# Altium PCB ECU_FEST23_Rev1.PcbDoc (part 2 of 2)
Units mm, origin at the board's own origin, x right, y up, seen from the top; angles counter-clockwise.
Board outline 100 x 57.4 mm, 4 copper layers (Top Layer, GND, 3V3, Bottom Layer), stack 1.616 mm thick; 285 components, 166 nets, 870 pads, 807 vias.
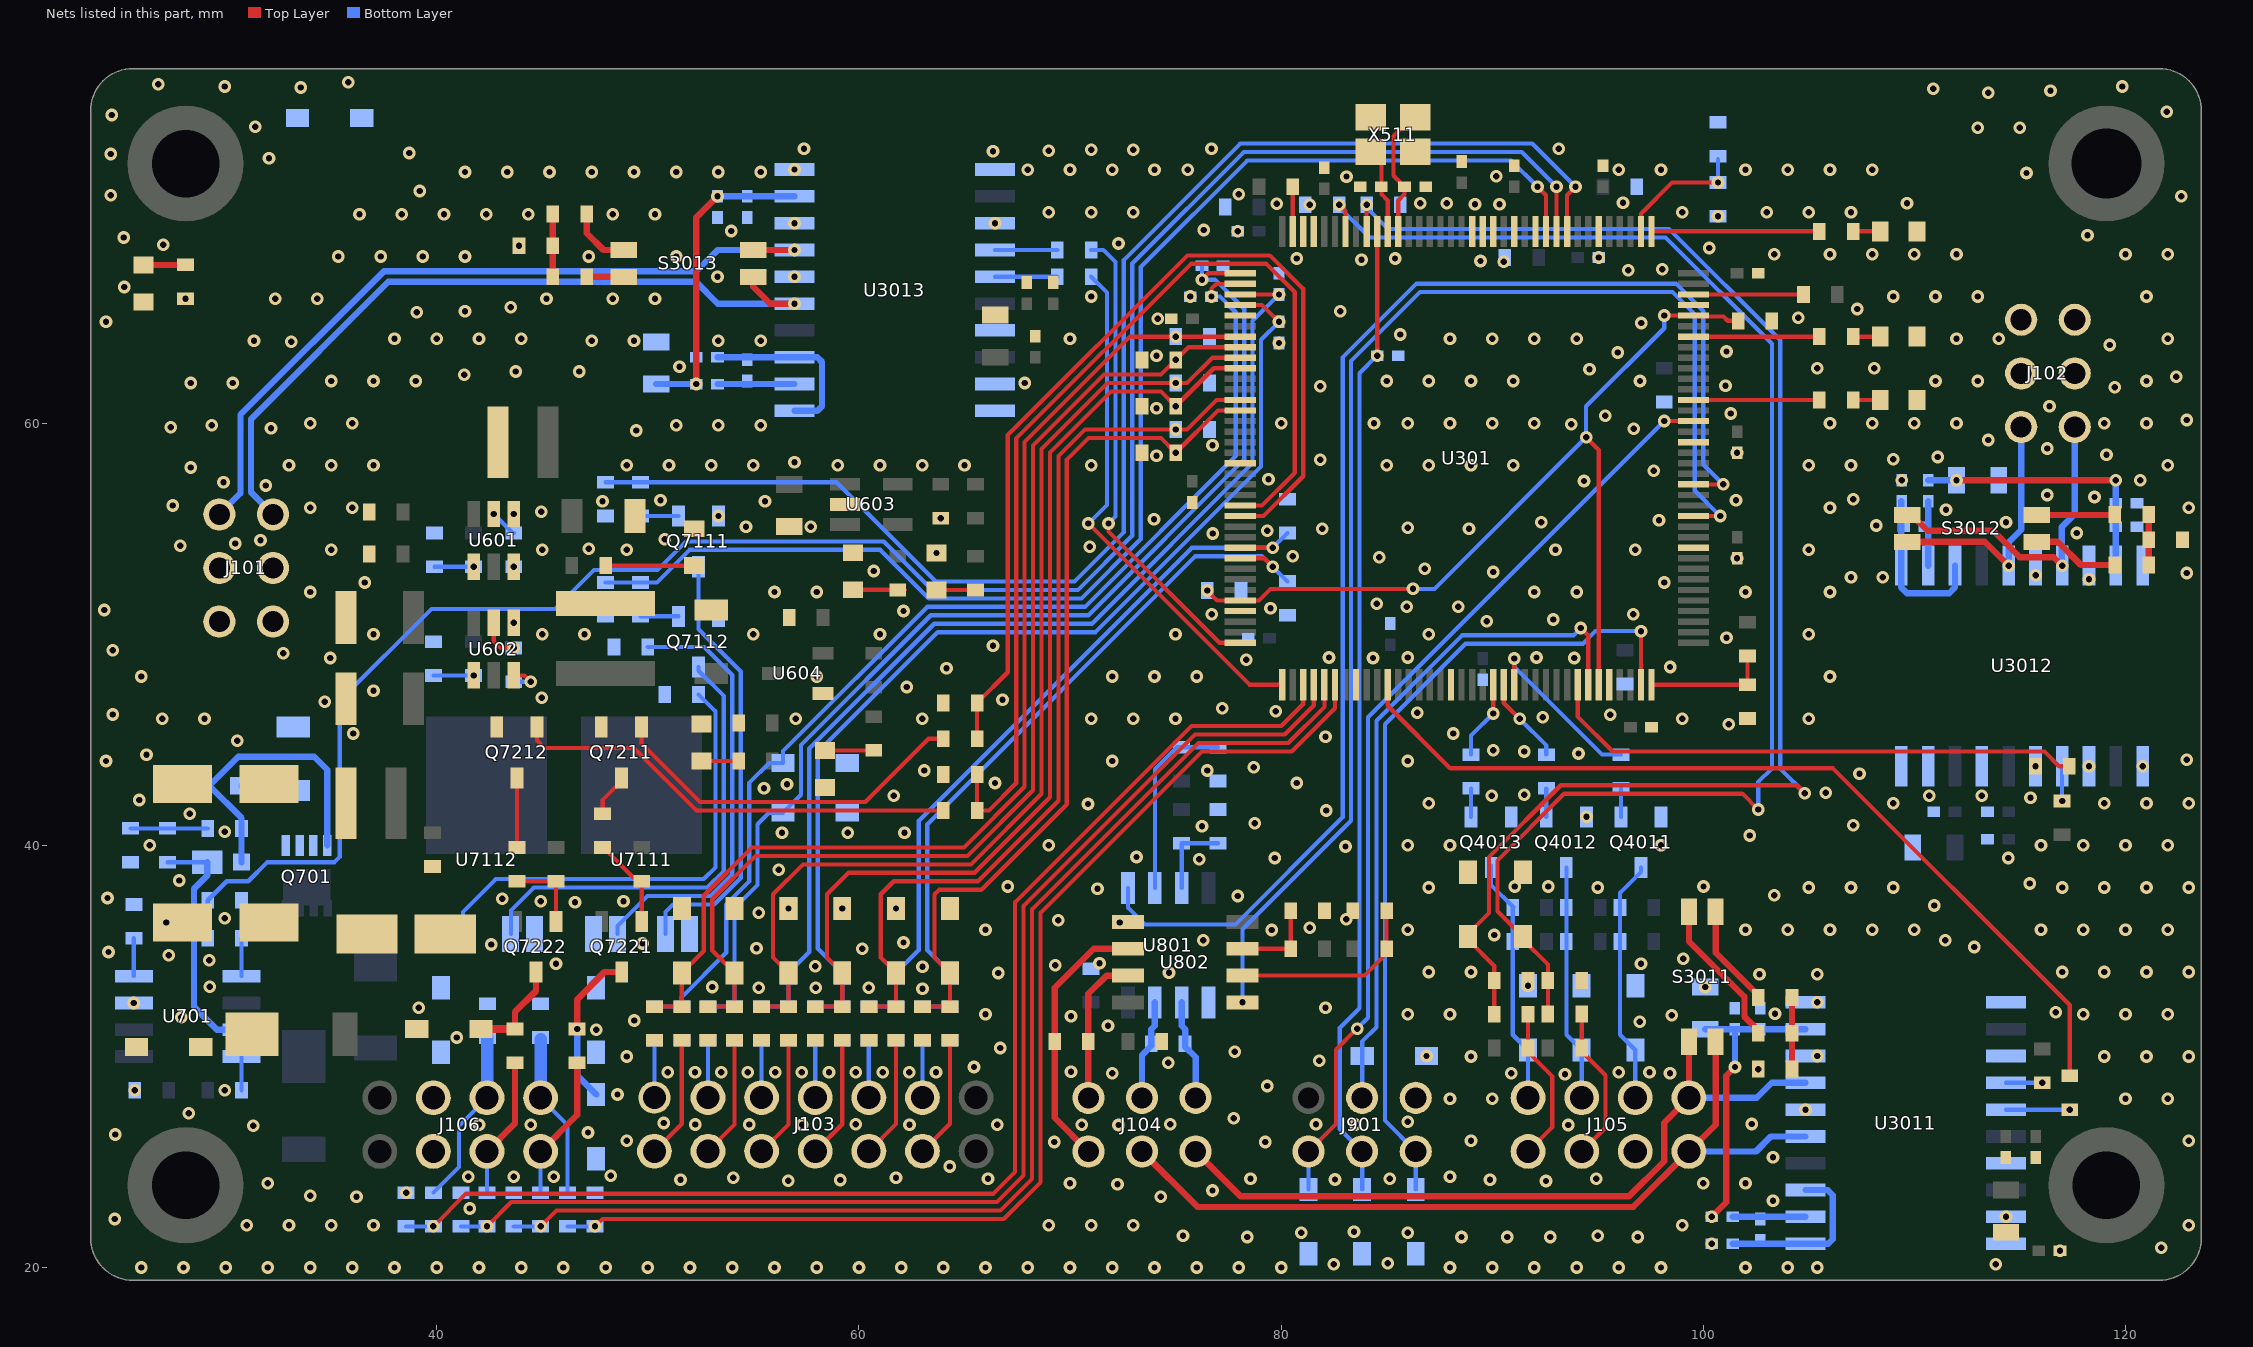
[diagram p4: the nets of this part, all layers, seen from the top]

## Via types
v1: diameter 0.6, hole 0.3, Top Layer to Bottom Layer, tented both sides, 807 vias

## Nets (pads, with @x,y where several pads share a name; then routed paths per layer and width w, separated by ;. In a path a pad name is that pad's centre, name@x,y a point inside that pad or via, vN(x,y) a via of type N, cw(c..) or ccw(c..) an arc to the next point about the centre after c; other vN are vias at no path point) (continued)
CAN_RX3: R3013.1 U301.72 | length 22.7
  Top Layer w0.2: v1(71.822,55.245) 71.822,54.864 77.086,49.6 U301.72@78.062,49.6
  Bottom Layer w0.2: R3013.1@71,68.205 71.578,68.205 72.15,67.633 72.15,55.574 v1(71.822,55.245)
CAN_TX1: R3021.1 U301.83 | length 42.5
  Top Layer w0.2: U301.83@85.05,47.612 85.05,46.616 88.016,43.65 106.15,43.65 117.36,32.44 R3021.1@117.36,29.08
CAN_TX2: R3022.1 U301.101 | length 25.8
  Top Layer w0.2: U301.101@94.05,47.612 94.05,46.11 95.71,44.45 116.159,44.45 116.859,43.75 R3022.1@117.335,43.75
CAN_TX3: R3023.1 U301.73 | length 24.7
  Top Layer w0.2: v1(70.87,55.25) 78.508,47.612 U301.73@80.05,47.612
  Bottom Layer w0.2: v1(70.87,55.25) 71.75,56.13 71.75,66.185 R3023.1@71,66.935
CANH1: J104.4 J105.1 S3011.1 U3011.17 | length 35.7
  Top Layer w0.3: J104.4@75.95,25.5 78.079,23.371 96.484,23.371 98.145,25.032 98.145,26.865 J105.1@99.32,28.04 S3011.1@99.32,30.7
  Bottom Layer w0.3: J105.1@99.32,28.04 102.535,28.04 103.245,28.75 U3011.17@104.84,28.75
CANH2: J102.6 S3012.1 U3012.17 | length 15.2
  Top Layer w0.3: S3012.1@109.655,55.65 109.885,55.65 110.635,54.9 113.734,54.9 114.984,53.65 116.605,53.65 v1(117.005,53.25)
  Bottom Layer w0.3: v1(117.005,53.25) 116.989,53.266 116.989,55.081 117.6,55.691 J102.6@117.6,59.82
CANH3: J101.6 S3013.3 U3013.17 | length 36.6
  Top Layer w0.3: S3013.3@55,68.205 v1(56.95,68.205)
  Bottom Layer w0.3: J101.6@29.7,55.68 30.7,56.68 30.7,60.4 37.5,67.2 52.3,67.2 53.305,68.205 v1(56.95,68.205)
CANL1: J104.5 J105.5 S3011.3 U3011.15 | length 39.6
  Top Layer w0.3: J104.5@73.41,25.5 76.039,22.871 96.691,22.871 J105.5@99.32,25.5 100.59,26.77 S3011.3@100.59,30.7
  Bottom Layer w0.3: J105.5@99.32,25.5 102.495,25.5 103.205,26.21 U3011.15@104.84,26.21
CANL2: J102.1 S3012.3 U3012.15 | length 12.1
  Top Layer w0.3: S3012.3@109.655,54.38 113.335,54.38 v1(114.465,53.25)
  Bottom Layer w0.3: v1(114.465,53.25) 114.465,54.365 115.06,54.96 J102.1@115.06,59.82
CANL3: J101.1 S3013.1 U3013.15 | length 36.6
  Top Layer w0.3: S3013.1@55,66.935 55,66.456 55.791,65.665 v1(56.95,65.665)
  Bottom Layer w0.3: J101.1@32.24,55.68 31.2,56.72 31.2,60.193 37.707,66.7 52.28,66.7 53.315,65.665 v1(56.95,65.665)
CTRL_Check: R707.1 R708.2 U301.2 | length 6.2
  Top Layer w0.2: U301.2@97.05,69.088 97.05,69.923 98.527,71.4 v1(100.7,71.4)
  Bottom Layer w0.2: v1(100.7,71.4) R707.1@100.7,72.5
CTRL_PWR: D702.1 F701.2 J101.4 J102.4 R706.1 R707.2
  other v1: 28.1,65.9
CTRL_Switch: R702.1 R709.2 U301.10 | length 97
  Top Layer w0.2: U301.10@93.05,69.088 v1(93.05,71.2)
  Bottom Layer w0.2: R709.2@29.15,35.6 R702.1@29.15,37.4 30.05,38.3 31.069,38.3 31.974,39.205 35.16,39.205 35.4,39.445 35.4,46.85 39.75,51.2 45.6,51.2 47.45,53.05 50.46,53.05 51.81,54.4 61.175,54.4 63.475,52.1 70.377,52.1 72.95,54.672 72.95,67.566 78.234,72.85 91.4,72.85 v1(93.05,71.2)
DE_CLK: R806.1 R807.2 U801.3 | length 3.8
  Bottom Layer w0.2: U801.3@75.29,37.984 R806.1@75.29,40.1 R807.2@77.01,40.1
DE_DAT: R801.1 R802.2 U802.3 | length 4.1
  Top Layer w0.2: U802.3@78.174,35.1 R801.1@80.46,35.1 R802.2@80.46,36.9
DigiAnalog_IN1: J105.8 R2421.1 R2441.1 | length 7.5
  Top Layer w0.2: J105.8@91.7,25.5 92.85,26.65 92.85,29.055 91.7,30.205 R2441.1@91.7,30.4 R2421.1@91.7,32
DigiAnalog_IN2: J105.7 R2422.1 R2442.1 | length 7.4
  Top Layer w0.2: J105.7@94.24,25.5 95.365,26.625 95.365,29.11 94.24,30.235 R2442.1@94.24,30.4 R2422.1@94.24,32.015
Error_LED: R304.1 U301.1 | length 8
  Top Layer w0.2: U301.1@97.55,69.088 R304.1@105.5,69.088
GND: 3V3.1 3V3A.1 5V.1 5VA.1 24V.1 "24V CTRL.1" C231.2 C232.2 C311.1 C312.1 C313.2 C314.2 C315.2 C316.2 C317.2 C318.2 C319.2 C320.2 C321.2 C322.2 C323.2 C324.2 C325.2 C326.2 C327.2 C328.2 C329.2 C330.2 C331.2 C511.2 C512.1 C601.2 C602.2 C603.2 C607.2 C608.2 C610.2 C611.2 C612.2 C613.2 C614.2 C615.2 C616.2 C617.2 C703.2 C704.2 C801.2 C802.2 C901.2 C2011.2 C2012.2 C2013.2 C2014.2 C2111.2 C2112.2 C2113.2 C2114.2 C2115.2 C2116.2 C2411.2 C2412.2 C3031.2 C3032.2 C3033.2 C3041.2 C3042.2 C3043.2 C3061.2 C3062.2 C3063.2 C3071.2 C3072.2 C3073.2 D231.2 D232.2 D603.2 D702.2 D901.2 D902.2 D903.2 D904.2 D2011.2 D2012.2 D2013.2 D2014.2 D2111.2 D2112.2 D2113.2 D2114.2 D2115.2 D2116.2 D2411.2 D2412.2 D4011.2 D4012.2 D4013.2 D7011.2 D7012.2 D7111.2 D7112.2 ERROR.1 J101.2 J101.3 J102.2 J102.3 J106.3 J106.7 J901.3 MCU1.1 MCU2.1 Q4011.2 Q4012.2 Q4013.2 Q7111.2 Q7112.2 Q7211.2 Q7212.2 R232.1 R234.1 R303.2 R308.1 R602.1 R604.1 R701.2 R702.2 R708.1 R802.1 R804.1 R807.1 R809.1 R2011.1 R2012.1 R2013.1 R2014.1 R2131.1 R2132.1 R2133.1 R2134.1 R2135.1 R2136.1 R2431.1 R2432.1 R7111.2 R7112.2 R7131.2 R7132.2 R7151.1 R7152.1 R7211.2 R7212.2 R7261.1 R7262.1 U301.6 U301.12 U301.14 U301.16 U301.17 U301.18 U301.33 U301.34 U301.41 U301.55 U301.69 U301.80 U301.89 U301.104 U301.118 U301.128 U301.141 U601.1 U602.1 U603.2 U604.1 U701.3 U801.5 U802.5 U3011.1 U3011.3 U3011.7 U3011.9 U3011.10 U3012.1 U3012.3 U3012.7 U3012.9 U3012.10 U3013.1 U3013.3 U3013.7 U3013.9 U3013.10 X511.2 X511.4
  other v1: 26,20 28,20 30,20 32,20 34,20 36,20 38,20 40,20 42,20 44,20 46,20 48,20 50,20 52,20 54,20 56,20 58,20 60,20 62,20 64,20 66,20 68,20 70,20 72,20 74,20 76,20 78,20 80,20 88,20 90,20 92,20 94,20 96,20 98,20 82.5,20.15 113.85,20.15 85.05,20.2 116.9,20.8 121.7,20.941 78.4,21.45 88.55,21.45 90.715,21.45 92.75,21.45 96.9,21.45 75.35,21.5 95,21.5 80.95,21.65 86,21.65 83.45,21.7 31,22 33,22 35,22 37,22 69,22 71,22 73,22 123,22 24.75,22.3 114.34,22.4 41.556,22.8 36.2,23.35 74.294,23.35 34,23.4 38.55,23.55 76.75,23.65 72.25,23.95 32,24 70,24 56.65,24.105 92.55,24.1 51.55,24.156 59.111,24.15 89.9,24.156 82.55,24.17 66.116,24.2 78.55,24.2 85.15,24.2 94.925,24.2 54.05,24.25 61.76,24.25 41.5,24.3 43.65,24.3 45.55,24.3 88,24.3 48.25,24.35 64.3,24.787 69.25,25.95 79.255,25.95 49,26 89,26 123,26 24.773,26.3 47.168,26.4 31.308,26.714 72.3,26.752 93.6,26.75 42,26.77 44.45,26.77 52.25,26.78 54.8,26.78 57.3,26.77 62.4,26.77 66.549,26.77 70.55,26.77 83.509,26.78 59.85,26.79 74.75,26.79 81.65,26.79 50.75,26.85 86,26.9 77.75,27.07 28.25,27.309 88,28 90,28 120,28 122,28 48.56,28.2 25.7,28.4 29.95,28.4 79.35,28.6 93.45,29.15 72,29.2 90.9,29.2 50.95,29.25 52.235,29.25 53.485,29.25 54.735,29.25 56.035,29.25 57.285,29.25 58.585,29.25 59.85,29.25 61.128,29.25 62.385,29.25 63.65,29.25 70.05,29.271 96.004,29.25 97.45,29.25 65.45,29.5 74.65,29.7 81.8,29.8 49,30 89,30 119,30 121,30 123,30 86.89,30.02 77.8,30.215 66.698,30.4 40.95,30.9 47.55,31.26 71.8,31.45 96.988,31.647 49.35,31.7 27.9,31.86 70.05,31.9 66,32 86,32 88,32 118,32 120,32 122,32 116.7,32.1 39.15,32.31 82.1,32.31 25.65,32.535 63.01,33.21 55.25,33.25 57.95,33.25 60.47,33.25 29.25,33.305 53.05,33.29 91.7,33.35 66.6,33.95 74.69,33.96 87,34 89,34 117,34 119,34 121,34 123,34 63.01,34.25 57.93,34.277 69.3,34.314 45.65,34.389 97.05,34.389 71.4,34.41 29.227,34.55 99.05,34.634 27.3,34.8 24.45,34.95 60.15,35.1 55.15,35.125 112.84,35.184 42.575,35.3 49.75,35.35 62.115,35.4 76.307,35.5 111.46,35.5 90.1,35.75 66,36 79.55,35.992 86,36 102,36 104,36 106,36 108,36 110,36 116,36 118,36 120,36 122,36 81.356,36.1 27.186,36.348 72.35,36.343 69.45,36.45 83.09,36.5 29.96,36.55 55.25,36.8 56.66,37.01 59.21,37.01 61.76,37.01 110.95,37.15 46.55,37.3 44.92,37.35 48.85,37.35 43.111,37.467 24.4,37.509 77.95,37.6 103.361,37.64 71.3,37.95 87,38 95,38 105,38 107,38 109,38 117,38 119,38 121,38 123,38 67.05,38.05 91.075,38.05 92.65,38.05 100.01,38.05 115.471,38.195 27.8,38.333 56.2,38.85 76.129,39.35 79.7,39.4 114.45,39.4 73.15,39.45 83.05,39.95 26.4,40 69,40 86,40 88,40 98,40 116,40 118,40 120,40 122,40 102.195,40.471 56.354,40.6 59.471,40.6 62.16,40.6 29.95,40.65 76.25,40.911 107.1,40.95 78.75,41.05 94.465,41.35 28.3,41.5 82.14,41.65 70.85,41.956 87,42 109,42 119,42 121,42 123,42 25.9,42.15 115.5,42.25 61.65,42.35 89.986,42.35 110.7,42.35 113.2,42.35 91.521,42.4 105.8,42.5 55.5,42.7 56.592,42.9 66.445,42.951 80.744,42.951 107.4,43.39 63.1,43.55 76.504,43.55 78.7,43.7 118.275,43.75 120.815,43.75 24.33,44 72,44 86,44 122.9,44.05 26.25,44.3 94.09,44.35 91.521,44.45 90.05,44.5 30.55,44.95 82.1,45.15 36.05,45.3 88.15,45.3 101.21,45.74 27,46 29,46 57,46 63,46 71,46 73,46 75,46 99,46 105,46 92.4,46.071 24.65,46.2 95.6,46.195 86.45,46.277 79.75,46.35 77.212,46.5 34.7,46.8 66.8,46.9 44.969,47 37,47.322 62.271,47.5 26,48 58,48 72,48 74,48 76,48 106,48 64.15,48.383 98.428,48.45 78.35,48.8 34.95,48.879 84.35,48.879 93.886,48.879 82.27,48.9 86,48.9 92.1,48.9 32.725,49.094 24.65,49.25 66.35,49.45 101.1,49.829 37,50 45,50 47,50 55,50 61,50 75,50 87,50 105,50 43.65,50.55 89.75,50.621 92.9,50.7 76.721,50.95 96.69,50.95 62.115,51.1 24.25,51.15 79.5,51.24 85.95,51.3 88.4,51.3 84.526,51.45 34,52 56,52 58,52 92,52 94,52 102,52 106,52 36.595,52.45 98.15,52.45 90.05,52.95 60.7,53 86.8,53.1 101.6,53.6 84.651,53.65 80.555,53.7 63.679,53.85 35,54 45,54 49,54 93,54 96.781,54 105,54 47.2,54.05 70.934,54.15 31.65,54.45 50.8,54.507 76.76,54.774 79.35,54.906 81.95,55 88.9,55 86,55.05 54.65,55.09 57.725,55.09 92.325,55.3 97.9,55.4 73.977,55.45 63.875,55.5 53.35,55.6 43.65,55.7 44.95,55.8 34,56 36,56 106,56 47.85,56.3 55.55,56.3 50.6,56.35 101.55,56.35 31.9,57.05 94.35,57.257 79.405,57.35 97.65,57.743 33,58 35,58 37,58 49,58 51,58 53,58 55,58 59,58 61,58 63,58 65,58 71,58 85,58 87,58 89,58 91,58 105,58 107,58 56.95,58.15 81.85,58.275 74.1,58.45 101.6,58.6 76.75,58.95 49.45,59.65 96.7,59.732 32.15,59.761 93.75,59.95 34,60 36,60 80,60 84.4,60 86,60 88,60 90,60 92,60 106,60 108,60 110,60 112,60 122.9,60.15 95.35,60.35 101.3,60.46 74.1,60.7 81.85,61.75 101.05,61.775 67.85,61.9 35,62 37,62 39,62 85,62 87,62 89,62 91,62 97,62 111,62 113,62 121,62 122.4,62.2 41.3,62.3 43.75,62.45 46.743,62.45 94.611,62.55 105.4,62.608 108.1,62.6 74.1,63.2 95.95,63.35 101.1,63.395 119.25,63.702 79.9,63.8 38,64 40,64 42,64 44,64 70,64 88,64 90,64 92,64 94,64 112,64 114,64 122,64 85.65,64.2 97.06,64.75 24.33,64.8 74.15,64.95 104.5,65 39.05,65.25 41.342,65.308 82.8,65.305 107.3,65.406 43.5,65.5 71,66 75.699,66 109,66 111,66 113,66 121,66 25.2,66.45 96.45,67.25 98.05,67.3 90.54,67.65 89.45,67.687 83.81,67.75 80.744,67.8 85.4,67.8 95.05,67.85 103.361,68 106,68 108,68 110,68 112,68 120,68 122,68 100.283,68.3 27.05,68.45 72.3,68.511 25.177,68.8 118.2,68.9 77.95,69.1 76.339,69.15 66.45,69.475 100.7,69.8 69,70 71,70 73,70 99,70 103,70 105,70 107,70 81.356,70.35 89.19,70.373 90.35,70.373 79.795,70.4 86.6,70.423 87.85,70.423 109.65,70.423 96.2,70.45 122.65,70.745 24.55,70.8 78,70.851 83.1,71.683 90.2,71.7 115.312,71.85 68,72 70,72 72,72 74,72 75.573,72 96,72 98,72 102,72 104,72 106,72 108,72 32.05,72.55 24.55,72.75 66.35,72.883 69,72.9 71.001,72.95 73,72.95 76.7,73 93.15,73 113,74 115,74 31.4,74.039 24.6,74.6 121.95,74.75 113.5,75.65 116.45,75.75 110.9,75.85 33.55,75.9 29.95,75.95 119.85,75.95 26.81,76.05 35.8,76.15
GND_CAN1: C3011.2 C3021.2 C3051.1 C3091.2 J105.6 L3021.2 U3011.16 U3011.18 U3011.20
  other v1: 102,20 104,20 105.4,20 100.4,21.13 99,22 103.3,23.17 100,24 102,24 103.3,25.232 102.3,26.8 104.84,27.48 98.425,29.2 102.6,29.4 105.4,30.02 98.5,31.95 103.4,32.015 105.4,32.56 100.1,33.29 102.668,33.9 105.4,33.9
GND_CAN2: C3012.2 C3022.2 C3052.1 C3092.2 J102.5 L3022.2 U3012.16 U3012.18 U3012.20
  other v1: 118.275,52.6 107,52.7 108.5,52.7 115.746,52.8 122.9,52.9 117.7,54.8 108.2,55.152 114.34,55.3 111.5,55.9 123,56 107.1,56.4 118.537,56.5 116.3,56.6 109.4,57.3 120.7,57.3 122,58 109,58.295 111.105,58.4 119.1,58.5 116.3,58.8 113.5,59.2 119,60 121,60 116.4,60.8 119.5,61.7
GND_CAN3: C3013.2 C3023.2 C3053.1 C3093.2 J101.5 L3023.2 U3013.16 U3013.18 U3013.20
  other v1: 27.85,54.2 30.448,54.3 27.5,56.1 29.9,57.2 28.342,57.9 27.4,59.8 29.342,59.9 51.342,59.9 53.342,59.9 55.342,59.9 28.342,61.9 30.342,61.9 51.5,62.675 33.1,63.855 31.342,63.9 47.342,63.9 49.342,63.9 53.342,63.9 55.342,63.9 32.342,65.9 34.342,65.9 45.2,65.9 48.342,65.9 50.342,65.9 53.3,66.934 56.95,66.935 35.342,67.9 37.342,67.9 39.342,67.9 41.342,67.9 47.2,67.9 51.342,67.9 43.9,68.405 53.95,69.105 56.95,69.475 36.342,69.9 38.342,69.9 40.342,69.9 42.342,69.9 44.342,69.9 48.342,69.9 50.342,69.9 39.2,71 41.342,71.9 43.342,71.9 45.342,71.9 47.342,71.9 49.342,71.9 51.342,71.9 53.342,71.9 55.342,71.9 56.95,72.015 38.7,72.8 57.4,73
HighPWR_Check1: R7141.1 R7151.2 U301.78 | length 55.1
  Top Layer w0.2: v1(47.5,21.95) 47.85,22.3 66.864,22.3 68.6,24.036 68.6,36.803 76.247,44.45 80.507,44.45 82.55,46.493 U301.78@82.55,47.612
  Bottom Layer w0.2: R7141.1@46.2,21.95 v1(47.5,21.95)
HighPWR_Check2: R7142.1 R7152.2 U301.75 | length 61.1
  Top Layer w0.2: v1(39.84,21.95) 41.39,23.5 66.367,23.5 67.4,24.533 67.4,37.3 75.75,45.65 80.01,45.65 81.05,46.69 U301.75@81.05,47.612
  Bottom Layer w0.2: R7152.2@38.55,21.95 v1(39.84,21.95)
HighPWR_OUT1: F7111.2 J106.1 R7141.2 | length 7.8
  Bottom Layer w0.2: J106.1@44.92,28.04 46.2,26.76 R7141.2@46.2,23.55
  Bottom Layer w0.6: J106.1@44.92,28.04 F7111.2@44.92,30.8
HighPWR_OUT2: F7112.2 J106.2 R7142.2 | length 8.4
  Bottom Layer w0.2: R7142.2@39.84,23.55 41.05,24.76 41.05,26.71 J106.2@42.38,28.04
  Bottom Layer w0.6: J106.2@42.38,28.04 42.4,28.06 F7112.2@42.4,30.9
HighPWR_Switch1: R7111.1 R7121.2 U301.9 | length 67.2
  Top Layer w0.2: U301.9@93.55,69.088 93.55,70.8 v1(93.95,71.2)
  Bottom Layer w0.2: R7111.1@48,57.2 R7121.2@49.65,57.2 58.941,57.2 63.641,52.5 70.212,52.5 72.55,54.838 72.55,67.731 78.069,73.25 91.9,73.25 v1(93.95,71.2)
HighPWR_Switch2: R7112.1 R7122.2 U301.11 | length 64.7
  Top Layer w0.2: v1(92.15,71.2) 92.55,70.8 U301.11@92.55,69.088
  Bottom Layer w0.2: R7112.1@48,52.45 R7122.2@49.65,52.45 50.426,52.45 51.976,54 61.01,54 63.31,51.7 70.543,51.7 73.35,54.507 73.35,67.4 78.4,72.45 90.9,72.45 v1(92.15,71.2)
LED1: R305.1 U301.132 | length 6
  Top Layer w0.2: U301.132@99.538,61.1 R305.1@105.5,61.1
LED2: R306.1 U301.138 | length 6
  Top Layer w0.2: U301.138@99.538,64.1 R306.1@105.5,64.1
LinearSens1: J103.14 R2021.2 | length 2.7
  Bottom Layer w0.2: J103.14@50.31,28.05 R2021.2@50.31,30.76
LinearSens2: J103.13 R2022.2 | length 2.7
  Bottom Layer w0.2: J103.13@52.85,28.05 R2022.2@52.85,30.76
LinearSens3: J103.12 R2023.2 | length 2.7
  Bottom Layer w0.2: J103.12@55.39,28.05 R2023.2@55.39,30.76
LinearSens4: J103.11 R2024.2 | length 2.7
  Bottom Layer w0.2: J103.11@57.93,28.05 R2024.2@57.93,30.76
LowPWR_Check1: R7251.1 R7261.2 U301.77 | length 57.1
  Top Layer w0.2: v1(44.92,21.95) 45.67,22.7 66.698,22.7 68.2,24.202 68.2,36.969 76.081,44.85 80.341,44.85 82.05,46.559 U301.77@82.05,47.612
  Bottom Layer w0.2: R7261.2@43.65,21.95 v1(44.92,21.95)
LowPWR_Check2: R7252.1 R7262.2 U301.76 | length 59.1
  Top Layer w0.2: v1(42.38,21.95) 43.53,23.1 66.533,23.1 67.8,24.367 67.8,37.134 75.916,45.25 80.176,45.25 81.55,46.624 U301.76@81.55,47.612
  Bottom Layer w0.2: R7262.2@41.15,21.95 v1(42.38,21.95)
LowPWR_OUT1: F7011.2 J106.5 R7251.2 | length 6.9
  Top Layer w0.3: J106.5@44.92,25.5 46.65,27.23 F7011.2@46.65,29.7
  Bottom Layer w0.2: R7251.2@44.92,23.55 J106.5@44.92,25.5
LowPWR_OUT2: F7012.2 J106.6 R7252.2 | length 6.7
  Top Layer w0.3: J106.6@42.38,25.5 43.704,26.824 F7012.2@43.704,29.7
  Bottom Layer w0.2: R7252.2@42.38,23.55 J106.6@42.38,25.5
LowPWR_Switch1: R7211.1 R7221.2 U301.60 | length 45.8
  Top Layer w0.2: R7221.2@65.6,45.05 R7211.1@65.6,46.75 67.05,48.2 67.05,59.435 75.565,67.95 79.466,67.95 81.05,66.366 81.05,57.484 79.166,55.6 U301.60@78.062,55.6
LowPWR_Switch2: R7212.1 R7222.2 U301.59 | length 49.4
  Top Layer w0.2: R7212.1@65.6,43.35 R7222.2@65.6,41.65 66.159,41.65 67.45,42.941 67.45,59.269 75.731,67.55 79.3,67.55 80.65,66.2 80.65,57.65 79.1,56.1 U301.59@78.062,56.1
MCU_DigiAnalog1: C2411.1 D2411.1 R2421.2 R2431.2 U301.28 | length 70.4
  Top Layer w0.2: U301.28@84.05,69.088 v1(84.05,70.35) ; R2421.2@90.1,32 R2431.2@90.1,33.6 90.1,34.293 88.85,35.543 D2411.1@88.85,35.681 88.85,35.8 89.85,36.8 89.85,39.45 93.25,42.85 104.426,42.85 v1(104.805,42.471)
  Bottom Layer w0.2: v1(84.05,70.35) 84.05,70.21 85.06,69.2 98.382,69.2 103.65,63.932 103.65,43.626 v1(104.805,42.471)
MCU_DigiAnalog2: C2412.1 D2412.1 R2422.2 R2432.2 U301.30 | length 69.2
  Top Layer w0.2: v1(82.75,70.35) 83.05,70.05 U301.30@83.05,69.088 ; R2422.2@92.64,32.015 R2432.2@92.64,33.6 92.64,34.35 91.45,35.54 D2412.1@91.45,35.681 90.25,36.881 90.25,39.284 93.416,42.45 101.85,42.45 v1(102.6,41.7)
  Bottom Layer w0.2: v1(82.75,70.35) 82.75,70.25 84.2,68.8 98.216,68.8 103.25,63.766 103.25,43.647 102.6,42.997 v1(102.6,41.7)
MCU_LinearSens1: C2011.1 D2011.1 R2011.2 R2021.1 U301.38 | length 53.1
  Top Layer w0.2: v1(76.699,66) 76.699,66.372 76.927,66.6 U301.38@78.062,66.6
  Bottom Layer w0.2: R2021.1@50.31,32.36 R2011.2@51.61,32.36 51.61,32.81 53.71,34.91 53.71,37.197 54.8,38.287 54.8,42.95 55.75,43.9 D2011.1@56.4,43.9 56.4,44.466 63.234,51.3 70.709,51.3 77.85,58.441 77.85,65.258 77.108,66 v1(76.699,66)
MCU_LinearSens2: C2012.1 D2012.1 R2012.2 R2022.1 U301.37 | length 54.2
  Top Layer w0.2: v1(76.25,66.8) 76.55,67.1 U301.37@78.062,67.1
  Bottom Layer w0.2: R2022.1@52.85,32.36 R2012.2@54.11,32.36 54.11,37.032 55.2,38.122 55.2,41 55.75,41.55 D2012.1@56.4,41.55 57.25,42.4 57.25,44.75 63.4,50.9 70.875,50.9 78.25,58.275 78.25,65.424 76.874,66.8 v1(76.25,66.8) C2012.1@76.25,67.46
MCU_LinearSens3: C2013.1 D2013.1 R2013.2 R2023.1 U301.39 | length 50.9
  Top Layer w0.2: U301.39@78.062,66.1 v1(79.9,66.1)
  Bottom Layer w0.2: R2023.1@55.39,32.36 R2013.2@56.66,32.36 D2013.1@56.66,33.96 57.65,34.95 57.65,44.584 63.566,50.5 71.04,50.5 78.65,58.11 78.65,64.85 v1(79.9,66.1)
MCU_LinearSens4: C2014.1 D2014.1 R2014.2 R2024.1 U301.40 | length 49.8
  Top Layer w0.2: U301.40@78.062,65.6 79.1,65.6 v1(79.9,64.8)
  Bottom Layer w0.2: R2024.1@57.93,32.36 R2014.2@59.21,32.36 D2014.1@59.21,33.96 58.05,35.12 58.05,44.419 63.731,50.1 71.206,50.1 79.05,57.944 79.05,63.95 v1(79.9,64.8)